# Altium PCB R100.230.030.001-00 ControlVR.PcbDoc (part 4 of 5)
Units mm, origin at the board's own origin, x right, y up, seen from the top; angles counter-clockwise.
Board outline 150 x 170 mm, 2 copper layers (Top, Bottom), stack 1.571 mm thick; 497 components, 319 nets, 1589 pads, 832 vias.
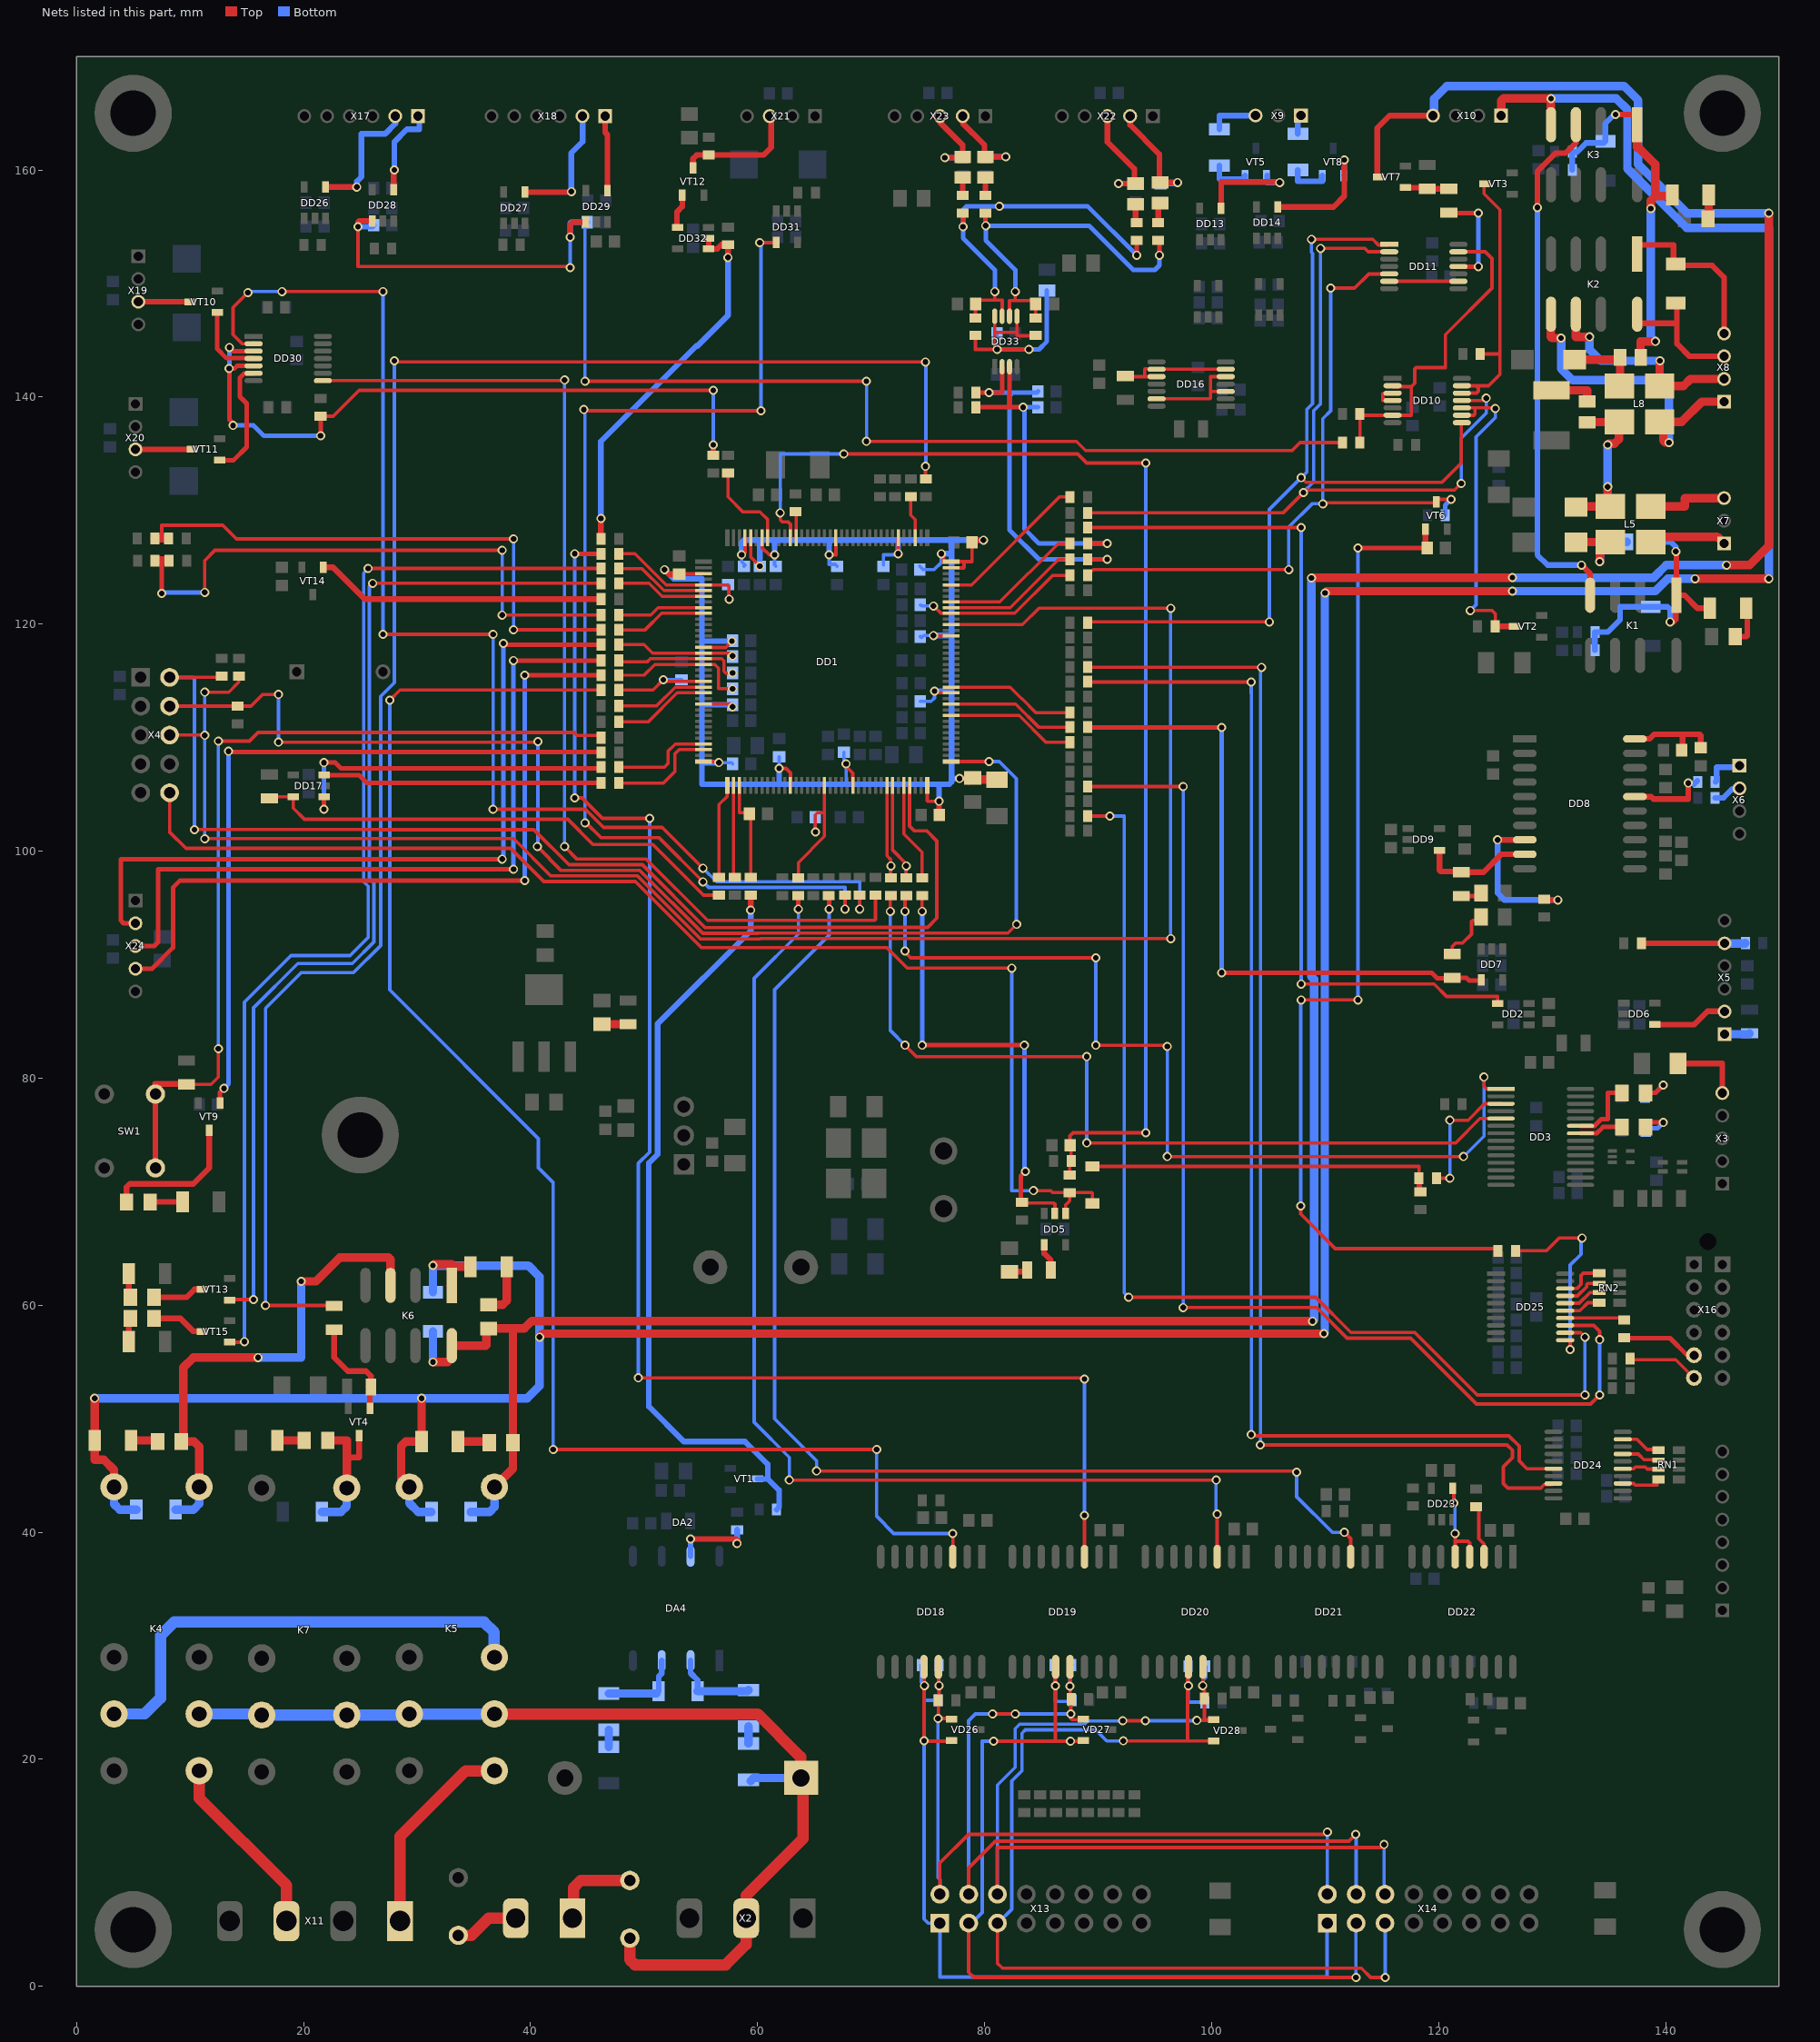
[diagram p4: the nets of this part, all layers, seen from the top]

## Via types
v1: diameter 0.8/0.8 (per signal layer), hole 0.5, Top to Bottom, 787 vias
v2: diameter 1.3, hole 0.7, Top to Bottom, 40 vias
v3: diameter 0.8/0.6 (per signal layer), hole 0.5, Top to Bottom, 4 vias
v4: diameter 0.8/0.9 (per signal layer), hole 0.5, Top to Bottom, 1 vias

## Nets (pads, with @x,y where several pads share a name; then routed paths per layer and width w, separated by ;. In a path a pad name is that pad's centre, name@x,y a point inside that pad or via, vN(x,y) a via of type N, cw(c..) or ccw(c..) an arc to the next point about the centre after c; other vN are vias at no path point) (continued)
NetC163_1: C163.1 DD33.6 R157.2 R160.1 R162.2 | length 33.4
  Top w0.3: DD33.6@82.2,147.125 82.2,148.5 82.7,148.5 ; v1(82.7,149.3) 82.7,148.5 ; R160.1@84.5,146.975 C163.1@84.5,148.2 84.2,148.5 82.7,148.5
  Top w0.4: R162.2@80.075,156.225 80.075,155.025 80.1,155 v1(80.1,155.1) ; R157.2@95.3,153.825 95.4,153.725 v1(95.4,152.5)
  Bottom w0.4: v1(82.7,149.3) 82.7,151.2 80.1,153.8 v1(80.1,155.1) 89.2,155.1 93.1,151.2 95,151.2 95.4,151.6 v1(95.4,152.5)
NetC164_1: C164.1 DD33.7 R158.2 R161.1 R163.2 | length 34.3
  Top w0.3: R161.1@79.2,146.975 C164.1@79.2,148.2 79.2,148.6 79.25,148.55 80.9,148.55 ; v1(80.9,149.3) 80.9,148.55 ; DD33.7@81.55,147.125 81.55,148.55 80.9,148.55
  Top w0.4: R163.2@78.075,156.225 78.1,156.2 v1(78.1,155) ; v1(93.4,152.5) R158.2@93.4,153.825
  Bottom w0.4: v1(80.9,149.3) 80.9,151.2 78.1,154 v1(78.1,155) 78.1,156.5 78.4,156.8 v1(81.3,156.8) 89.1,156.8 v1(93.4,152.5)
NetC165_1: C165.1 L10.1 X22.2 | length 10
  Top w0.5: X22.2@92.825,164.75 92.825,163.975 95.4,161.4 95.4,158.985 L10.1@95.475,158.91 96.99,158.91 v1(97,158.9)
  Bottom w0.5: C165.1@95.5,158.8 96.9,158.8 v1(97,158.9)
NetC166_1: C166.1 L11.1 X22.3 | length 9.9
  Top w0.5: X22.3@90.825,164.75 90.825,162.475 93.2,160.1 L11.1@93.2,158.91 ; v1(91.8,158.8) 93.09,158.8 L11.1@93.2,158.91 ; L11.1@93.3,158.81 L11.1@93.2,158.91
  Bottom w0.5: v1(91.8,158.8) C166.1@93.3,158.8
NetC167_2: C167.2 DD33.3 R154.1 R156.1 | length 29.4
  Top w0.4: R154.1@79.225,139.1 82.2,139.1 ; DD33.3@82.2,142.675 82.2,139.1 ; v1(83.4,139.1) 82.2,139.1 ; R156.1@89.075,127.1 v1(90.8,127.1)
  Bottom w0.4: C167.2@84.7,139.1 v1(83.4,139.1) 83.5,139 83.5,128.4 84.8,127.1 v1(90.8,127.1)
NetC168_2: C168.2 DD33.2 R155.1 R159.1 | length 32.3
  Top w0.4: R155.1@79.225,140.4 v1(80.4,140.4) 81.5,140.4 81.55,140.45 DD33.2@81.55,142.675 ; R159.1@89.075,125.7 v1(90.8,125.7)
  Bottom w0.4: v1(80.4,140.4) 84.6,140.4 C168.2@84.7,140.5 ; 82.3,140.2 82.2,140.1 82.2,128.3 84.8,125.7 90.7,125.7 v1@90.8,125.6
NetC171_2: C171.2 DD33.5 DD33.8 L12.2 R160.2 R161.2 | length 22.7
  Top w0.3: R161.2@79.2,145.425 79.2,144.2 v1@80.9,144.2 ; DD33.8@80.9,147.125 80.9,145.8 ; v1(81.1,144.2) v1@80.9,144.2 ; 82.8,145.7 81,145.7 80.9,145.8 ; DD33.5@82.9,147.175 DD33.5@82.85,147.125 82.85,145.4 R160.2@84.5,145.4 ; v1@80.9,144.2 80.9,144.9 ; v1@80.9,144.2 80.9,144.9 ; 80.9,144.9 80.9,145.8
  Top w0.4: v1(81.1,144.2) v1(83.9,144.2)
  Bottom w0.3: v1(81.1,144.2) C171.2@81.1,145.6
  Bottom w0.4: v1(83.9,144.2) 84.8,144.2 85.5,144.9 L12.2@85.5,149.39
NetC173_1: C173.1 L13.1 X23.2 | length 8
  Top w0.5: X23.2@78.075,164.75 78.075,164.125 80,162.2 80,161.235 L13.1@80.075,161.16 v1(81.86,161.16) v1@81.9,161.2
  Bottom w0.5: C173.1@80.1,161.1 80.16,161.16 v1(81.86,161.16)
NetC174_1: C174.1 L14.1 X23.3 | length 7.6
  Top w0.5: X23.3@76.075,164.75 76.075,164.2 78.075,162.2 L14.1@78.075,161.16 78.015,161.1 v1(76.5,161.1)
  Bottom w0.5: v1(76.5,161.1) C174.1@78.1,161.1
NetDA4_2: DA4.2 R7.1 VD2.2 | length 7.5
  Bottom w0.5: DA4.2@54.1,28.7 54.1,27.6 54.725,26.975 VD2.2@54.725,26
  Bottom w0.75: VD2.2@54.725,26 59.1,26 R7.1@59.2,26.1
NetDA4_3: DA4.3 R6.1 VD2.1 | length 7.3
  Bottom w0.5: VD2.1@51.075,25.8 VD2.1@51.275,26 51.3,26.025 51.3,27.3 51.56,27.56 DA4.3@51.56,28.7
  Bottom w0.75: R6.1@46.9,25.8 VD2.1@51.075,25.8
NetDA4_7: DA4.7 R5.1 | length 7.2
  Top w0.5: v1(54.1,39.4) 58.1,39.4 58.3,39.2 58.3,39.1 v1(58.2,39)
  Bottom w0.5: DA4.7@54.1,37.9 v1(54.1,39.4) ; v1(58.2,39) R5.1@58.2,40.225
NetDD1_24: DD1.24 R1.1 | length 2.3
  Top w0.3: R1.1@63.35,129.925 63.4,129.875 DD1.24@63.4,127.6
NetDD2_4: DD2.4 R18.1 | length 77.3
  Top w0.3: R18.1@89.2,128.4 89.3,128.5 v1(107.9,128.5) ; v1(107.9,88.3) 119.6,88.3 120.7,87.2 125.2,87.2 DD2.4@125.2,86.6
  Bottom w0.3: v1(107.9,88.3) v1(107.9,128.5)
NetDD3_1: DD3.1 R17.1 | length 82.1
  Top w0.3: v1(73,91.2) 73,91.1 73.5,90.6 v1(89.8,90.6) ; v1(73,94.7) 73,95.8 72.9,95.9 R17.1@73.1,96.1 ; v1(89.8,82.9) 96,82.9 v1(96.1,82.8) ; v1(96.1,73.1) v1(122.2,73.1) ; v1(124,80.1) 124,79.3 124.25,79.05 DD3.1@125.5,79.05
  Bottom w0.3: v1(73,91.2) v1(73,94.7) ; v1(89.8,82.9) v1(89.8,90.6) ; v1(96.1,73.1) v1(96.1,82.8) ; v1(122.2,73.1) 124,74.9 v1(124,80.1)
NetDD3_5: DD3.5 R21.1 | length 75.1
  Top w0.3: v1(71.7,94.7) R21.1@71.7,96.1 ; v1(73,82.9) 74,81.9 v1(89,81.9) ; v1(89,74.3) 121.5,74.3 123.65,76.45 DD3.5@125.5,76.45
  Bottom w0.3: v1(71.7,94.7) 71.7,84.2 v1(73,82.9) ; v1(89,74.3) v1(89,81.9)
NetDD3_22: DD3.22 VD3.2 | length 3.9
  Top w0.4: DD3.22@132.5,75.15 133.935,75.15 134.485,75.7 VD3.2@136.159,75.7 VD3.2@136.2,75.7
NetDD3_23: DD3.23 VD4.2 | length 6
  Top w0.4: DD3.23@132.5,75.8 133.736,75.8 134.336,76.4 134.9,76.4 134.9,78.7 VD4.2@136,78.7
NetDD5_2: DD5.2 R27.1 R28.1 | length 40.4
  Top w0.3: v1(74.5,94.7) R28.1@74.5,96.1 ; R27.1@83.2,69.3 83.525,69.3 83.413,69.188 R27.1@83.3,69.075 ; R27.1@83.6,69 86.1,69 86.2,68.9 DD5.2@86.2,68.075
  Top w0.4: v1(74.5,82.9) v1(83.5,82.9) ; R27.1@83.2,69.3 83.2,71.4 v1(83.6,71.8) ; R27.1@83.413,69.188 R27.1@83.6,69
  Bottom w0.4: v1(74.5,82.9) v1(74.5,94.7) ; v1(83.5,82.9) 83.5,71.9 v1(83.6,71.8)
NetDD5_4: DD5.4 R26.1 | length 2.5
  Top w0.5: DD5.4@85.25,65.325 85.25,64.55 85.85,63.95 R26.1@85.85,63.1
NetDD7_4: DD7.4 R34.1 R36.1 | length 56.6
  Top w0.4: R36.1@89.1,110.9 v1(100.9,110.9) ; v1(100.9,89.3) 119.378,89.3 119.878,88.8 R34.1@121.2,88.8 ; R34.1@121.2,88.85 122.45,88.85 122.7,88.6 123.7,88.6 DD7.4@123.75,88.65
  Bottom w0.4: v1(100.9,89.3) v1(100.9,110.9)
NetDD8_16: DD8.16 R39.2 | length 6.9
  Top w0.5: DD8.16@137.65,104.81 137.66,104.8 138.745,104.8 138.945,104.6 142,104.6 142,105.9 141.9,106 v1(142,106)
  Bottom w0.5: v1(142,106) 142.4,106 142.5,105.9 R39.2@142.8,106.2
NetDD10_2: DD10.2 DD10.6 DD11.13 R51.1 R54.1 | length 30.2
  Top w0.3: R54.1@113.075,136 R51.1@113.075,138.4 ; R51.1@113.075,138.5 R51.1@113.075,138.4 ; DD10.2@115.95,141 115.95,140.925 117.6,140.925 ; DD11.13@121.8,152.8 124.1,152.8 124.7,152.2 124.7,149.6 120.6,145.5 120.6,142.6 118,142.6 117.9,142.5 117.9,141.225 117.6,140.925 ; R51.1@113.075,138.4 DD10.6@115.95,138.4 117.6,138.4 117.6,140.925
NetDD10_3: DD10.3 DD10.4 | length 1.8
  Top w0.3: DD10.3@115.5,140.3 115.1,140.3 115.1,139.7 DD10.4@115.95,139.7
NetDD10_8: DD10.8 DD11.1 R44.1 | length 77.1
  Top w0.3: R44.1@89.075,120.125 89.1,120.1 89.2,120.2 v1(105.1,120.2) ; v1(107.9,132.9) 108.308,132.492 120.292,132.492 122,134.2 122,137.7 DD10.8@122.05,137.75 ; v1(108.804,153.904) 114.196,153.904 114.7,153.4 115.55,153.4 115.65,153.5 DD11.1@115.7,153.45
  Bottom w0.3: v1(105.1,120.2) 105.1,130.1 v1(107.9,132.9) 108.4,133.4 108.4,138.907 108.904,139.411 108.904,152.659 108.796,152.767 108.796,153.896 v1(108.804,153.904)
NetDD10_9: DD10.9 DD10.10 R43.1 VT2.3 | length 28.7
  Top w0.3: DD10.9@122.05,138.4 123.1,138.4 123.2,138.5 123.2,139.05 ; DD10.10@122.05,139.05 123.2,139.05 ; v1(122.8,121.2) 124.712,121.2 125,120.912 125,119.825 R43.1@124.975,119.8 ; v1(125,139) 125,139.1 124.95,139.05 123.2,139.05
  Top w0.5: R43.1@124.975,119.8 VT2.3@126.7,119.8
  Bottom w0.3: v1(122.8,121.2) 123.296,121.696 123.296,136.496 125,138.2 v1(125,139)
NetDD10_11: DD10.11 DD11.2 R45.1 | length 73.2
  Top w0.3: R45.1@89.075,129.7 89.175,129.8 106.3,129.8 v1(108.1,131.6) 108.304,131.804 121.404,131.804 v1(122,132.4) ; v1(109.6,153.1) 113.5,153.1 113.8,152.8 DD11.2@115.65,152.8 DD11.2@115.7,152.8 ; DD10.11@122.05,139.7 124,139.7 v1(124.2,139.9)
  Bottom w0.3: v1(108.1,131.6) 108.1,131.637 109,132.537 109,138.8 109.6,139.4 v1(109.6,153.1) ; v1@121.9,132.3 v1(122,132.4) 122,136.4 124.2,138.6 124.2,138.663 124.196,138.667 124.196,139.896 v1(124.2,139.9)
NetDD10_12: DD10.12 DD10.13 R56.1 VT3.3 | length 25
  Top w0.3: DD10.12@122.05,140.35 123.35,140.35 123.5,140.5 123.5,140.8 123.3,141 ; DD10.13@122.05,141 123.3,141 ; R56.1@123.675,143.8 125.4,143.8 ; VT3.3@124.1,158.8 124,158.7 124,157.9 125.4,156.5 125.4,143.8 ; 123.3,141 124.4,141 125.4,142 125.4,143.8
NetDD11_5: DD11.5 R46.1 R65.1 VT6.3 | length 63.8
  Top w0.3: R46.1@89.075,124.3 89.575,124.8 v1(106.8,124.8) ; v1(109.8,130.6) 109.9,130.7 119.8,130.7 VT6.3@119.8,130.775 119.8,131 v1(121.1,131) ; v1(110.5,149.6) 112.6,149.6 113.85,150.85 DD11.5@115.65,150.85 DD11.5@115.7,150.85
  Bottom w0.3: v1(106.8,124.8) 106.8,128.537 108.863,130.6 v1(109.8,130.6) 109.796,130.604 109.796,138.096 110.5,138.8 v1(110.5,149.6)
  Bottom w0.4: R65.1@120.575,129.575 120.575,130.475 v1(121.1,131)
NetDD11_6: DD11.6 DD11.9 | length 6.1
  Top w0.3: DD11.6@115.7,150.2 115.704,150.204 121.796,150.204 DD11.9@121.8,150.2
NetDD11_11: DD11.11 R66.1 | length 9
  Top w0.4: R66.1@120.9,156.25 120.95,156.2 v1(123.5,156.2) ; DD11.11@121.8,151.5 v1(123.5,151.5)
  Bottom w0.4: v1(123.5,151.5) v1(123.5,156.2)
NetDD13_4: DD13.4 VT5.1 | length 9.2
  Top w0.5: DD13.4@100.85,156.625 100.85,158.95 105.95,158.95 v1(106,158.9)
  Bottom w0.5: VT5.1@104.9,159.5 104.9,158.9 v1(106,158.9)
NetDD14_4: DD14.4 VT8.1 | length 10.9
  Top w0.5: DD14.4@105.85,156.75 110.75,156.75 111.7,157.7 v1(111.7,160.9)
  Bottom w0.5: VT8.1@111.65,159.5 111.7,159.55 v1(111.7,160.9)
NetDD16_3: DD16.3 DD16.5 DD16.13 | length 9.4
  Top w0.3: DD16.13@95.15,139.85 99.85,139.85 99.9,139.9 99.9,140.5 ; DD16.3@101.25,140.5 99.9,140.5 ; DD16.5@101.25,141.8 99.9,141.8 99.9,140.5
NetDD16_6: DD16.6 DD16.9 DD16.10 R70.1 | length 10.6
  Top w0.3: R70.1@92.4,141.85 92.45,141.8 94.1,141.8 ; DD16.10@95.15,141.8 94.1,141.8 ; DD16.6@101.25,142.45 DD16.9@95.15,142.45 95.1,142.5 94.137,142.5 94.1,142.463 94.1,141.8
NetDD17_1: DD17.1 R73.1 | length 30.2
  Top w0.4: v1(21.8,103.7) 21.8,103.5 DD17.1@21.8,104.8 ; v1(21.8,107.8) 22.8,107.8 23.3,107.3 R73.1@46.2,107.3
  Bottom w0.4: v1(21.8,103.7) v1(21.8,107.8)
NetDD17_3: DD17.3 R74.1 | length 24.7
  Top w0.4: DD17.3@21.8,106.7 24.9,106.7 25.6,106 R74.1@46.225,106
NetDD17_5: DD17.5 R75.1 R76.2 | length 43.8
  Top w0.3: R76.2@17,104.65 17.15,104.8 DD17.5@19.1,104.8 19.1,103.788 20.084,102.804 43.296,102.804 45.504,100.596 50.767,100.596 55.238,96.125 R75.1@56.6,96.125
NetDD18_3: DD18.3 R82.2 | length 134.7
  Top w0.3: v1(27.6,113.3) 28.5,114.2 R82.2@46.225,114.2 ; v1(42,47.3) 42.004,47.304 v1(70.5,47.304) ; v1(77.2,39.9) 77.205,39.895 DD18.3@77.205,37.85
  Bottom w0.3: v1(27.6,113.3) 27.6,112.637 27.596,112.633 27.596,87.779 40.7,74.675 40.7,72.1 42,70.8 42,48.637 41.996,48.633 41.996,47.304 v1(42,47.3) ; v1(70.5,47.304) 70.5,41.4 72,39.9 v1(77.2,39.9)
NetDD19_3: DD19.3 R97.2 | length 135.9
  Top w0.3: v1(43.9,104.7) 44.544,104.7 46.344,102.9 v1(50.5,102.9) ; v1(49.5,53.6) 88.7,53.6 v1(88.8,53.5) ; v1(88.8,41.5) 88.8,37.855 DD19.3@88.805,37.85
  Top w0.4: v1(43.9,126.2) R97.2@46.225,126.2
  Bottom w0.3: v1(43.9,104.7) v1(43.9,126.2) ; v1(49.5,53.6) 49.5,72.5 50.5,73.5 v1(50.5,102.9) ; v1(88.8,41.5) v1(88.8,53.5)
NetDD20_3: DD20.3 R101.2 | length 98.6
  Top w0.3: v1(62.8,44.6) 62.804,44.596 100.396,44.596 v1(100.4,44.6) ; v1(100.5,41.6) 100.5,37.855 DD20.3@100.505,37.85
  Top w0.4: v1(63.6,94.9) R101.2@63.6,95.9
  Bottom w0.3: v1(62.8,44.6) 62.804,44.604 62.804,46.596 59.7,49.7 59.7,88.8 63.6,92.7 v1(63.6,94.9) ; v1(100.4,44.6) 100.4,41.7 v1(100.5,41.6)
NetDD21_3: DD21.3 R107.2 | length 106.9
  Top w0.3: v1(65.2,45.4) 65.204,45.404 107.396,45.404 v1(107.5,45.3) ; v1(111.7,40) 112.255,39.445 DD21.3@112.255,37.85
  Top w0.4: R107.2@66.2,96 R107.2@66.3,96.1 ; v1(66.3,94.9) 66.3,95.9 R107.2@66.5,96.1
  Bottom w0.3: v1(65.2,45.4) 65.2,46.3 61.5,50 61.5,87.8 66.3,92.6 v1(66.3,94.9) ; v1@107.4,45.3 v1(107.5,45.3) 107.5,43.138 110.638,40 v1(111.7,40)
NetDD22_3: DD22.3 R114.2 | length 4.6
  Top w0.3: R114.2@123.55,42.275 123.55,39.425 124.005,38.97 DD22.3@124.005,37.85
NetDD22_4: DD22.4 DD22.5 DD23.4 | length 8.4
  Top w0.3: v1(121.35,42.575) DD23.4@121.35,43.575 ; v1(121.45,39.9) 121.465,39.885 121.465,39.165 ; DD22.5@121.465,37.85 121.465,39.165 ; DD22.4@122.735,37.85 122.735,39.04 122.575,39.2 121.5,39.2 121.465,39.165
  Bottom w0.3: v1(121.35,42.575) 121.425,42.575 121.45,42.55 v1(121.45,39.9)
NetDD24_3: DD24.3 RN1.8 | length 3.6
  Top w0.3: DD24.3@136.225,44.3 137.188,44.3 137.342,44.146 139.25,44.146 139.25,44.53 RN1.8@139.375,44.655
NetDD24_5: DD24.5 RN1.7 | length 3.3
  Top w0.3: DD24.5@136.225,45.6 137.188,45.6 137.342,45.754 138.221,45.754 138.4,45.575 139.35,45.575 RN1.7@139.375,45.55
NetDD24_7: DD24.7 RN1.6 | length 3.4
  Top w0.3: DD24.7@136.225,46.9 137.6,46.9 138.1,46.4 139.325,46.4 RN1.6@139.375,46.35
NetDD24_9: DD24.9 RN1.5 | length 3.5
  Top w0.3: DD24.9@136.225,48.2 137.475,48.2 138.375,47.3 139.32,47.3 RN1.5@139.375,47.245
NetDD24_16: DD24.16 R121.1 | length 109.3
  Top w0.3: R121.1@89.1,114.9 v1(103.5,114.9) ; v1(103.5,48.6) 103.596,48.504 105.059,48.504 105.067,48.496 126.197,48.496 127.1,47.593 127.1,46.3 127.8,45.6 DD24.16@130.125,45.6
  Bottom w0.3: v1(103.5,48.6) 103.504,48.604 103.504,113.933 103.5,113.937 v1(103.5,114.9)
NetDD24_18: DD24.18 R119.1 | length 114.3
  Top w0.3: R119.1@89.1,116.2 v1(104.4,116.2) ; v1(104.3,47.7) 104.304,47.704 126.033,47.704 126.504,47.233 126.504,46.567 125.7,45.763 125.7,44.3 126.1,43.9 129.001,43.9 129.292,44.191 130.015,44.191 DD24.18@130.125,44.3
  Bottom w0.3: v1(104.3,47.7) 104.304,47.704 104.304,116.104 v1(104.4,116.2)
NetDD25_11: DD25.11 R136.1 | length 18.1
  Top w0.3: R136.1@126.775,64.8 129.5,64.8 130.625,65.925 v1(132.65,65.925) ; DD25.11@131.15,56.925 DD25.11@131.6,56.925 ; v1(131.6,56.1) DD25.11@131.6,56.925 ; DD25.11@131.85,56.925 DD25.11@131.6,56.925
  Bottom w0.3: v1(131.6,56.1) 131.6,63.538 132.554,64.492 132.554,65.829 v1(132.65,65.925)
NetDD25_12: DD25.12 R134.1 | length 96.5
  Top w0.3: R134.1@89.075,103.1 v1(91.05,103.1) ; v1(92.704,60.696) 109.179,60.696 112.271,57.604 117.903,57.604 123.407,52.1 v1(132.9,52.1) ; DD25.12@131.15,57.575 132.525,57.575 v1(132.9,57.2)
  Bottom w0.3: v1@91.1,103.1 92.3,103.1 92.3,61.1 v1(92.704,60.696) ; v1(132.9,52.1) v1(132.9,57.2)
NetDD25_13: DD25.13 R132.1 | length 103.6
  Top w0.3: R132.1@89.2,105.7 v1(97.5,105.7) ; v1(97.5,59.8) 109.25,59.8 111.946,57.104 117.546,57.104 123.35,51.3 132.563,51.3 132.567,51.296 133.396,51.296 v1(134.2,52.1) ; DD25.13@131.15,58.225 133.675,58.225 134.2,57.7 v1(134.2,56.969)
  Bottom w0.3: v1@97.496,105.696 v1(97.5,105.7) v1(97.5,59.8) ; v1(134.2,52.1) v1@134.2,56.968
NetDD25_14: DD25.14 R130.1 | length 5.3
  Top w0.3: DD25.14@131.15,58.875 136.175,58.875 R130.1@136.35,58.7
NetDD25_15: DD25.15 RN2.4 | length 3.3
  Top w0.3: DD25.15@131.15,59.525 132.45,59.525 133.15,60.225 RN2.4@134.15,60.225
NetDD25_16: DD25.16 RN2.3 | length 3.3
  Top w0.3: DD25.16@131.15,60.175 132.393,60.175 133.343,61.125 RN2.3@134.05,61.125
NetDD25_17: DD25.17 RN2.2 | length 3.6
  Top w0.3: DD25.17@131.15,60.825 132.243,60.825 133.05,61.632 133.05,61.825 133.15,61.925 RN2.2@134.15,61.925
NetDD25_18: DD25.18 RN2.1 | length 3.9
  Top w0.3: DD25.18@131.15,61.475 132.186,61.475 132.55,61.839 132.55,62.625 132.75,62.825 RN2.1@134.05,62.825
NetDD30_2: DD30.2 R144.1 | length 112.4
  Top w0.3: v1(15.1,149.2) 13.8,147.9 13.8,145.5 14.6,144.7 DD30.2@15.6,144.7 ; v1(18.1,149.3) v1(27,149.3) ; v1(27,119.1) v1(36.7,119.1) ; v1(36.7,103.7) 44.837,103.7 46.441,102.096 51.604,102.096 v1(55.2,98.5) ; v1(69,94.9) R144.1@69,96.125
  Top w0.4: DD30.2@15.575,144.725 DD30.2@15.6,144.7
  Bottom w0.3: v1@15.2,149.3 v1(18.1,149.3) ; v1(27,119.1) v1(27,149.3) ; v1(36.7,103.7) v1(36.7,119.1) ; v1(55.2,98.5) 56.4,97.3 69,97.3 v1(69,94.9)
  Bottom w0.4: v1(15.1,149.2) v1@15.2,149.3 ; v1(27,149.3) v1@27.054,149.246 ; v1@36.646,119.046 v1@36.696,119.096
NetDD30_3: DD30.3 DD30.5 R145.1 R146.2 | length 62.9
  Top w0.3: R146.2@21.5,138.325 22.625,138.325 24.896,140.596 45.133,140.596 45.137,140.6 v1(56.1,140.6)
  Top w0.4: v1(13.45,142.525) v1@13.475,142.5 ; v1(13.475,144.375) 13.8,144.05 DD30.3@15.6,144.05 ; v1(13.8,137.5) 14,137.5 13.475,138.025 v1@13.475,142.5 ; DD30.5@15.6,142.75 14.15,142.75 13.9,142.5 v1@13.475,142.5 ; v1(21.5,136.6) R146.2@21.5,138.325
  Top w0.5: R145.1@56.1,134.875 v1(56.1,135.8)
  Bottom w0.3: v1@56.1,135.8 v1(56.1,140.6)
  Bottom w0.4: v1(13.45,142.525) 13.475,142.55 v1(13.475,144.375) ; v1(13.8,137.5) 15.6,137.5 16.5,136.6 v1(21.5,136.6)
NetDD30_4: DD30.4 VT10.1 | length 6.8
  Top w0.4: VT10.1@12.4,147.45 12.4,144.242 13.217,143.425 15.575,143.425 DD30.4@15.6,143.4
NetDD30_6: DD30.6 VT11.1 | length 10.6
  Top w0.4: VT11.1@12.6,134.45 13.85,134.45 15,135.6 15,139.432 14.4,140.032 14.4,141.709 14.766,142.075 15.575,142.075 DD30.6@15.6,142.1
NetDD30_8: DD30.8 R148.1 | length 94.7
  Top w0.3: DD30.8@21.7,141.45 42.95,141.45 v1(43,141.5) ; v1(43,100.4) 44.1,99.3 50.2,99.3 55.6,93.9 59.6,93.9 59.604,93.896 70.296,93.896 70.4,94 R148.1@70.4,96.125
  Bottom w0.3: v1(43,100.4) v1(43,141.5)
NetDD31_4: DD31.4 R150.1 | length 96.7
  Top w0.3: v1(44.7,138.9) 44.8,138.8 v1(60.3,138.8) ; v1(44.8,102.5) 44.9,102.5 46.2,101.2 51.3,101.2 v1(55.2,97.3) ; v1(60.2,153.6) 61.6,153.6 DD31.4@61.625,153.625 ; v1(67.7,94.9) R150.1@67.7,96.125
  Bottom w0.3: v1(44.7,138.9) 44.8,138.8 v1(44.8,102.5) ; v1(55.2,97.3) 55.7,96.8 67.7,96.8 v1(67.7,94.9) ; v1(60.2,153.6) 60.3,153.5 v1(60.3,138.8)
NetDD32_1: DD32.1 DD32.2 R152.1 R153.2 | length 33.4
  Top w0.5: v1(46.2,129.3) 46.2,127.525 R152.1@46.225,127.5 ; DD32.2@55.7,154 DD32.1@55.7,153.05 56.45,153.05 56.825,153.425 R153.2@57.4,153.425 v1(57.4,152.3)
  Bottom w0.5: v1(46.2,129.3) 46.2,136.1 54.6,144.5 54.7,144.5 57.4,147.2 v1(57.4,152.3)
NetDD32_4: DD32.4 VT12.1 | length 3.1
  Top w0.5: DD32.4@52.95,154.95 52.9,155 52.9,156.3 53.375,156.775 VT12.1@53.375,157.8
NetF1_2: F1.2 L9.2 | length 4.3
  Top w0.75: F1.2@129.964,140.6 F1.2@130.3,140.6 ; F1.2@130.3,140.8 F1.2@130.3,140.6 ; L9.2@133.1,139.61 133.1,140.6 F1.2@130.3,140.6
NetF2_2: F2.2 X12.1 | length 8
  Top w1: X12.1@43.697,6 43.8,6.103 43.8,8.7 44.43,9.33 F2.2@48.75,9.33
NetF3_2: F3.2 X12.2 | length 5.7
  Top w1: F3.2@33.644,4.5 34.8,4.5 36.3,6 X12.2@38.697,6
NetK1_1: K1.1 L6.2 R42.1 R49.1 R52.2 VD10.2 | length 24.1
  Top w0.5: v1(140.4,120.2) 140.7,120.2 140.9,120.4 140.9,122.5 K1.1@140.95,122.55 ; v1(140.9,126.4) 140.95,126.35 K1.1@140.95,122.55 ; R42.1@143.9,121.4 142.8,121.4 141.65,122.55 K1.1@140.95,122.55
  Bottom w0.5: R49.1@133.775,117.7 R52.2@133.775,119.3 134.9,119.3 136,120.4 136,121.525 VD10.2@138.7,121.525 140.175,121.525 140.4,121.3 v1(140.4,120.2) ; L6.2@138.41,127.25 140.45,127.25 140.9,126.8 v1(140.9,126.4)
NetK1_4: K1.4 K3.3 | length 47.1
  Top w0.5: v1(128.7,156.7) 128.7,159.873 130.327,161.5 131.2,161.5 132.1,162.4 K3.3@132.1,164 ; v1(132.6,125.2) 133.35,124.45 K1.4@133.35,122.55
  Bottom w0.5: v1(128.7,156.7) 128.7,126.1 129.6,125.2 v1(132.6,125.2)
NetK2_1: K2.1 VD18.2 X8.4 | length 15.4
  Top w0.5: K2.1@137.5,152.6 137.5,153.4 140.7,153.4 140.7,151.925 VD18.2@140.9,151.725 141.025,151.6 144.1,151.6 145.15,150.55 X8.4@145.15,145.6
NetK2_5: K2.5 L8.2 X8.1 | length 29.3
  Top w0.75: K2.5@129.9,147.3 129.9,145.3 130,145.2 v1(130.8,145.2) ; v1(140.3,136) 140,136 139.8,136.2 139.8,137.503 L8.2@139.478,137.825 141.425,137.825 143.2,139.6 X8.1@145.15,139.6
  Bottom w0.75: v1(130.8,145.2) 130.8,142.5 131.8,141.5 139.4,141.5 140.3,140.6 v1(140.3,136)
NetK2_6: K2.6 L8.3 X8.2 | length 19.1
  Top w0.75: K2.6@132.1,147.3 132.1,145.3 v1(133.3,145.3) ; v1(139.5,143.2) 139.478,143.178 L8.3@139.478,140.975 141.575,140.975 142.2,141.6 X8.2@145.15,141.6 X8.2@145.175,141.625
  Bottom w0.75: v1(133.3,145.3) 133.3,144.2 134.3,143.2 v1(139.5,143.2)
NetK2_8: K2.8 VD18.1 X8.3 | length 12.9
  Top w0.5: K2.8@137.5,147.3 137.5,146.3 137.7,146.5 140.8,146.5 141,146.3 ; VD18.1@140.9,148.275 141,148.175 141,146.3 ; X8.3@145.15,143.6 142.1,143.6 141,144.7 141,146.3
NetK3_1: K3.1 L7.2 R58.1 R60.2 R62.1 VD17.2 | length 34.9
  Top w0.5: v1(135.6,164.9) 137.5,164.9 K3.1@137.5,164
  Top w0.75: K3.1@137.5,164 137.5,162 137.6,161.9 137.7,161.9 139.1,160.5 139.1,157.7 ; L7.2@137.81,143.5 137.8,143.51 137.8,144.9 v1(139.1,144.9) ; v1(138.7,156.6) 138.7,157.3 139.1,157.7 ; R62.1@140.6,157.8 140.5,157.7 139.1,157.7
  Bottom w0.5: R58.1@131.775,160 R60.2@131.775,161.6 132.2,161.6 133,162.4 134.575,162.4 VD17.2@134.7,162.525 134.7,164.1 135.5,164.9 v1(135.6,164.9)
  Bottom w0.75: v1(138.7,156.6) 138.7,145.3 v1(139.1,144.9)
NetK4_3: K4.3 K5.7 | length 42.7
  Bottom w1: K4.3@3.306,24 6,24 7.4,25.4 7.4,30.9 8.6,32.1 35.9,32.1 36.8,31.2 36.8,29.016 K5.7@36.823,28.994
NetK4_8: K4.8 K6.3 VD19.2 VD20.1 | length 44.2
  Top w0.75: K4.8@10.806,44 10.806,47.544 10.35,48 VD19.2@9.241,48 9.4,48.159 9.4,54.5 10.3,55.4 v1(16,55.4) ; v1(19.8,62.1) 21.1,62.1 23.2,64.2 27.5,64.2 27.662,64.038 K6.3@27.662,61.75